# Altium PCB ZUM_Core_2.0.PcbDoc (part 1 of 2)
Units mm, origin at the board's own origin, x right, y up, seen from the top; angles counter-clockwise.
Board outline 70.83 x 53.34 mm, 2 copper layers (Top Layer, Bottom Layer), stack 1.55 mm thick; 130 components, 84 nets, 478 pads, 206 vias.
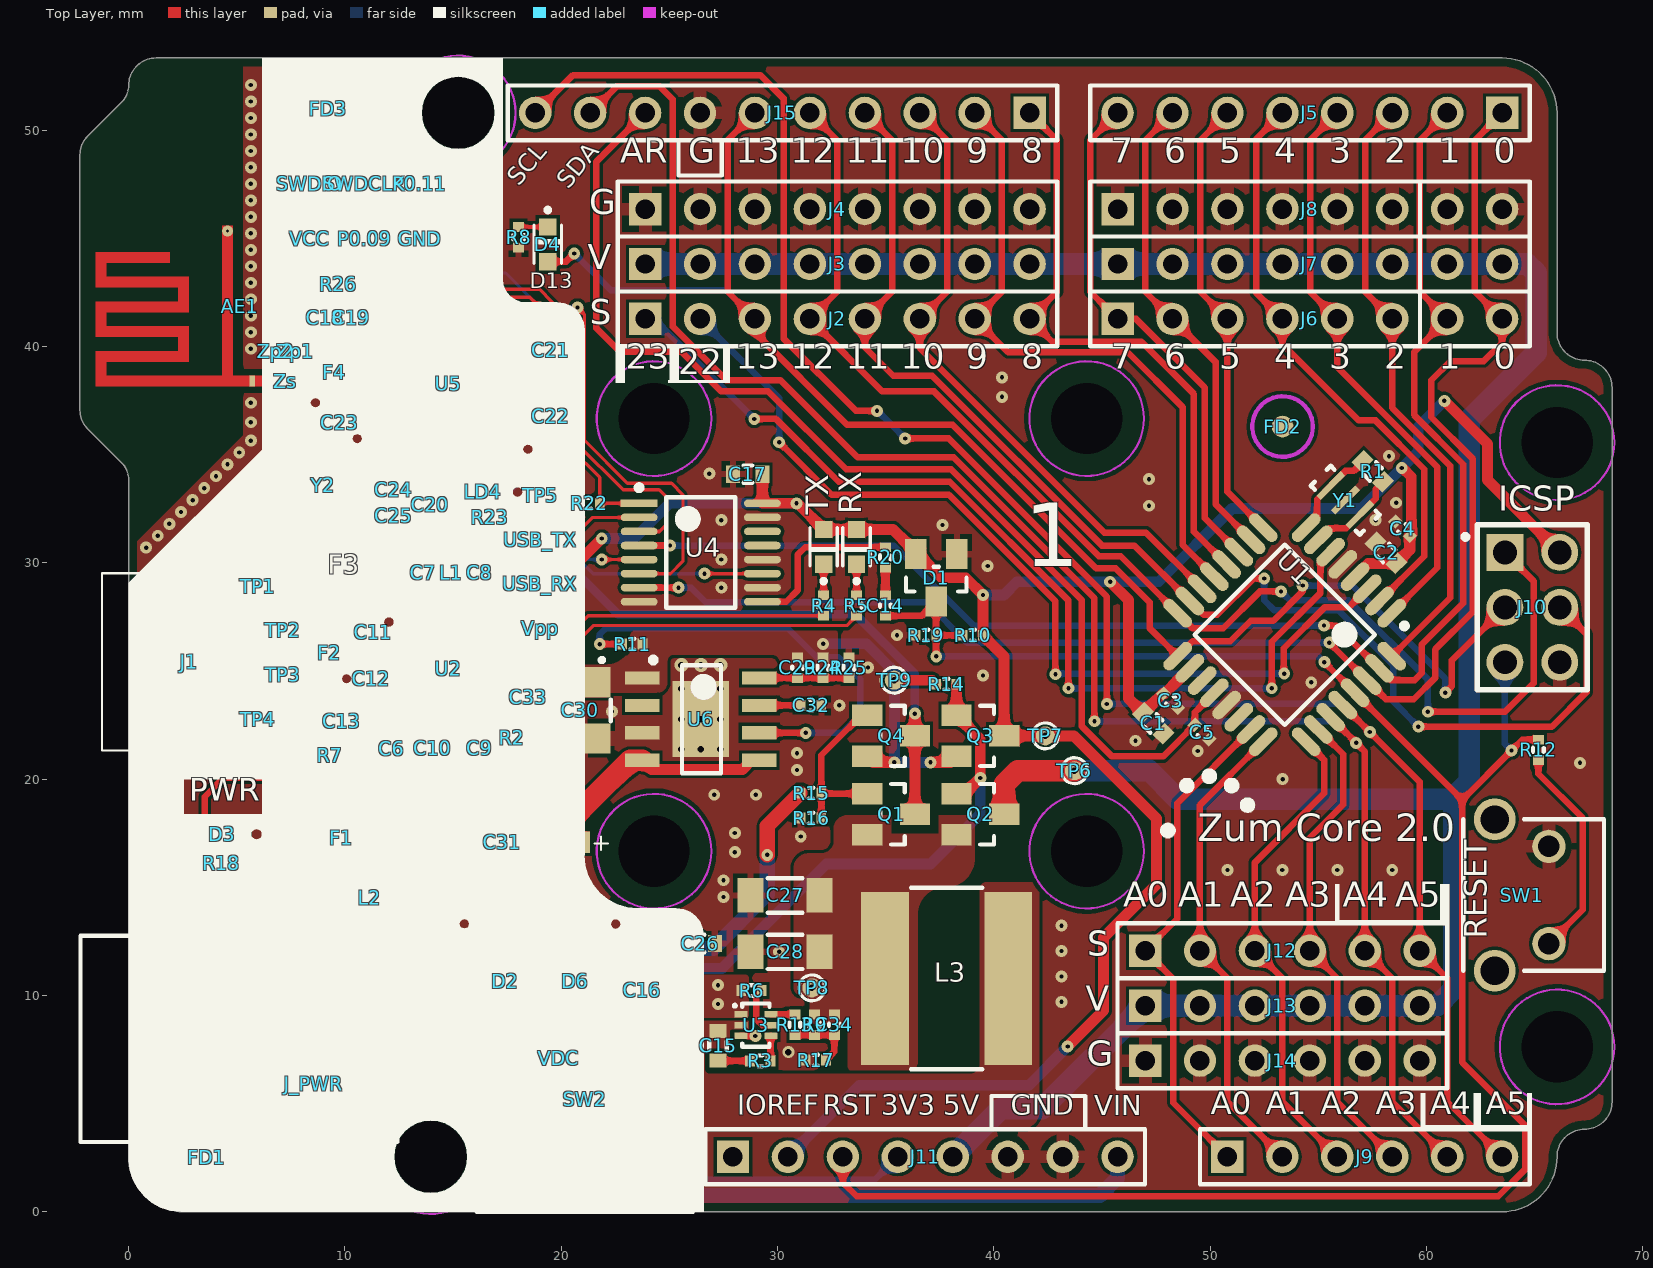
[diagram p0: Top Layer view]
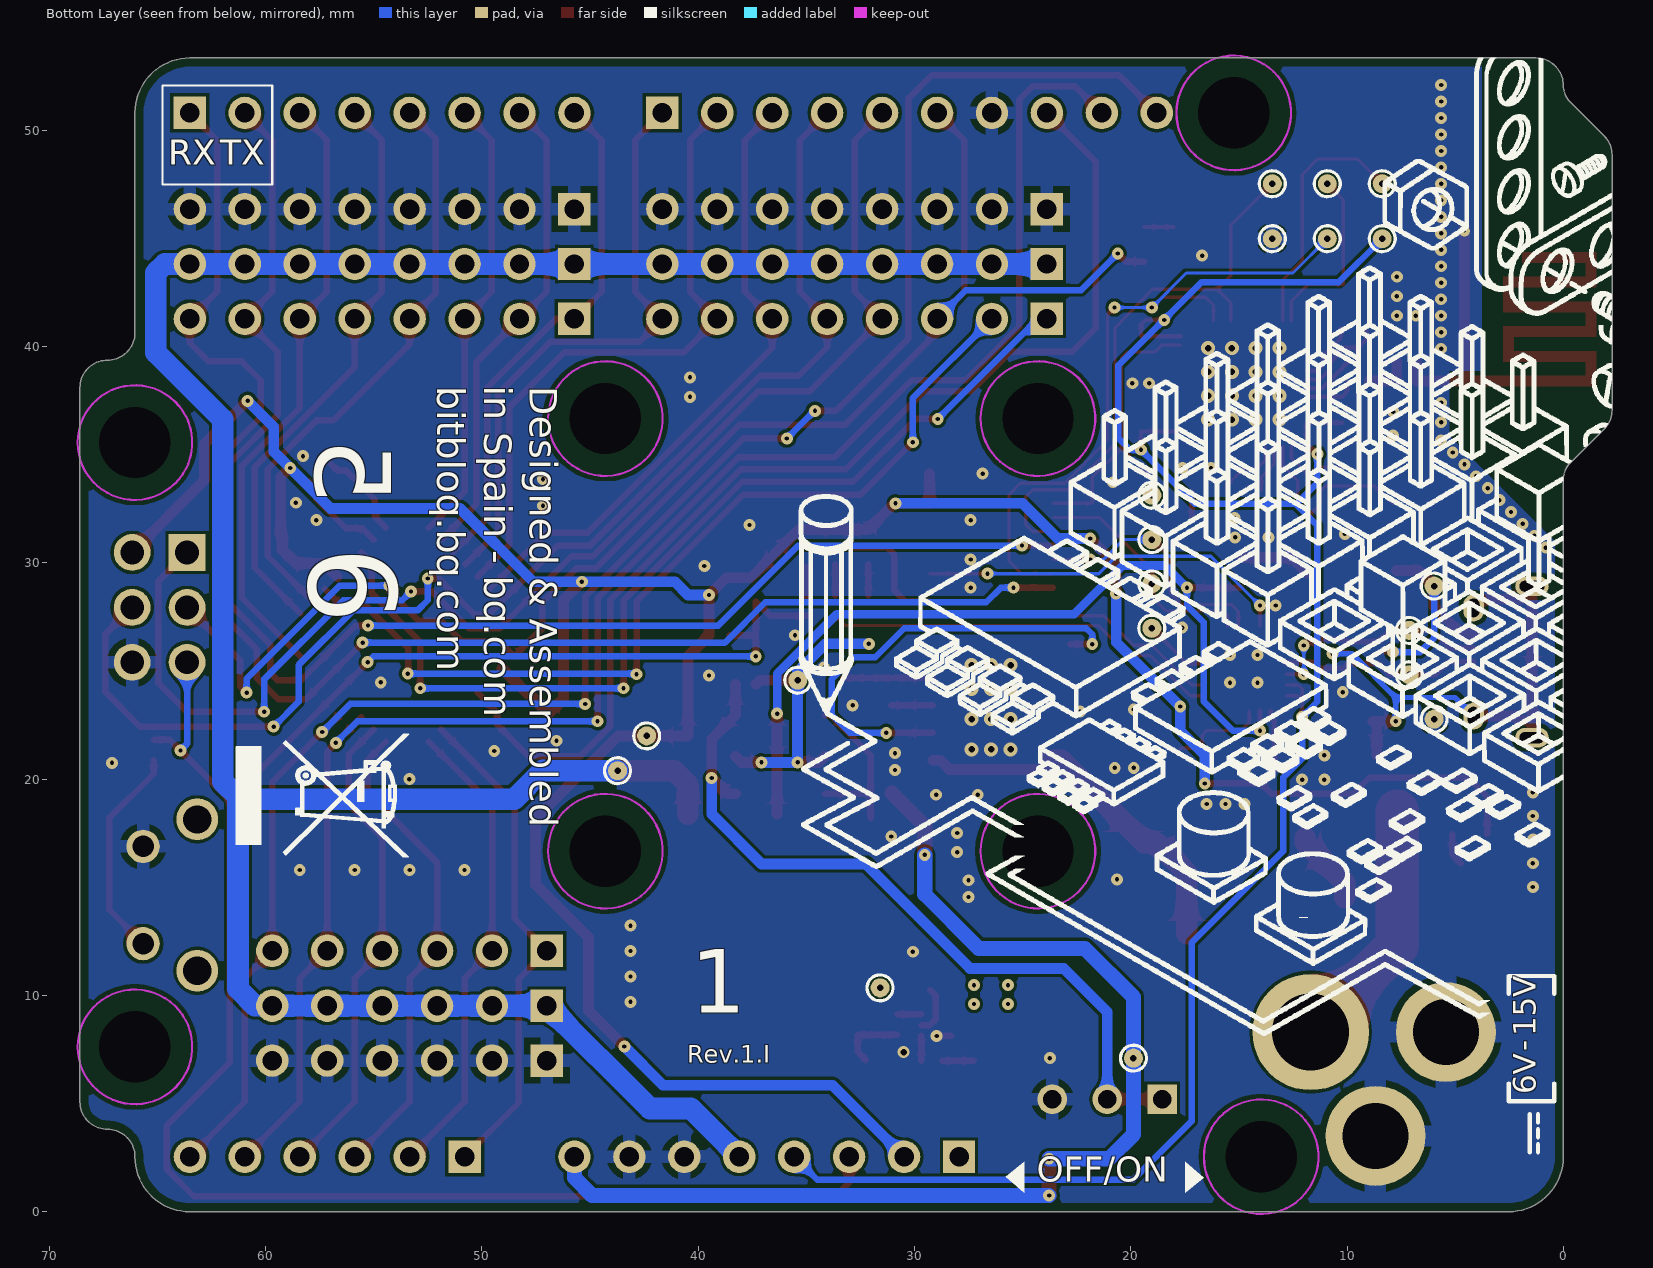
[diagram p1: Bottom Layer view, seen from below]

## Layer stack, top to bottom
Top Solder: solder mask 0.017, Solder Resist, Dk 3.5
Top Layer: signal copper 0.018
Dielectric 1: dielectric 1.514, FR-4, Dk 4.8
Bottom Layer: signal copper 0.018
Bottom Solder: solder mask 0.017, Solder Resist, Dk 3.5

## Board outline
-0.318,34.618 -1.896,36.196 cw(c-1.043,37.05) -2.25,37.05 -2.25,48.87 cw(c-1.043,48.87) -1.896,49.724 -0.318,51.302 ccw(c-1.086,52.07) 0,52.07 cw(c1.27,52.07) 1.27,53.34 63.5,53.34 cw(c63.5,50.8) 66.04,50.8 66.04,40.64 ccw(c67.31,40.64) 67.31,39.37 cw(c67.31,38.1) 68.58,38.1 68.58,5.08 cw(c67.31,5.08) 67.31,3.81 ccw(c67.31,2.54) 66.04,2.54 cw(c63.5,2.54) 63.5,0 2.54,0 cw(c2.54,2.54) 0,2.54 0,33.85 ccw(c-1.086,33.85)

## Design rules (kind name [scope] priority, off if disabled: settings)
BoardOutlineClearance BoardOutlineClearance_Antenna [InComponent('AE1')] p1: gap=0.3 ignorepadtopadclearanceinfootprint=FALSE
BoardOutlineClearance [OnLayer('Top Layer') OR OnLayer('Bottom Layer')] p2: gap=0.4 ignorepadtopadclearanceinfootprint=FALSE
Clearance Poly_VDC [InNamedPolygon('VDC')] p1: gap=0.27 ignorepadtopadclearanceinfootprint=FALSE
Clearance Poly_5V@3A [InNamedPolygon('5V@3A') vs InComponent('Q1')] p2: gap=0.4 ignorepadtopadclearanceinfootprint=FALSE
Clearance Polygon_VinDCDC [IsRegion AND InNet('Vin_DCDC')] p3: gap=0.14 ignorepadtopadclearanceinfootprint=FALSE
Clearance Clearance_U5_Pads [InComponent('U5') vs InComponent('U5')] p4: gap=0 ignorepadtopadclearanceinfootprint=FALSE
Clearance "Clearance_A5 to hole" [(InNet('A5') AND InComponent('J5') And OnLayer('Top Layer')) vs OnLayer('Keep-Out Layer')] p5: gap=0.05 ignorepadtopadclearanceinfootprint=FALSE
Clearance Clearance_USB_Shield [InNet('USB_SHIELD')] p6: gap=0.2 ignorepadtopadclearanceinfootprint=FALSE
Clearance Clearance_Antenna [InNet('NetAE1_FEED_1') vs InNet('GND')] p7: gap=0.3 ignorepadtopadclearanceinfootprint=FALSE
Clearance Clearance_KO [OnLayer('Keep-Out Layer') vs InNetClass('All Nets')] p8: gap=0.2 ignorepadtopadclearanceinfootprint=FALSE except(0: Arc-Hole Track-Hole SMDPad-Hole THPad-Hole Via-Hole Fill-Hole Poly-Hole Region-Hole Text-Hole)
Clearance [All] p9: gap=0.15 ignorepadtopadclearanceinfootprint=FALSE
ComponentClearance ComponentClearance_1 [InComponent('FD1') vs InComponent('J16')] p1: gap=0 collisioncheckmode=3 verticalgap=0 showdistances=FALSE
ComponentClearance "J14 with J13" [InComponent('J14') vs InComponent('J13')] p2: gap=0 collisioncheckmode=3 verticalgap=0 showdistances=FALSE
ComponentClearance "J13 with J12 and J14" [InComponent('J13') vs InComponent('J12') OR InComponent('J14')] p3: gap=0 collisioncheckmode=3 verticalgap=0 showdistances=FALSE
ComponentClearance "J12 with J13" [InComponent('J12') vs InComponent('J13')] p4: gap=0 collisioncheckmode=3 verticalgap=0 showdistances=FALSE
ComponentClearance "J7 with J8" [InComponent('J7') vs InComponent('J8')] p5: gap=0 collisioncheckmode=3 verticalgap=0 showdistances=FALSE
ComponentClearance "J7 with J6 and J8" [InComponent('J7') vs InComponent('J6') OR InComponent('J8')] p6: gap=0 collisioncheckmode=3 verticalgap=0 showdistances=FALSE
ComponentClearance "J6 with J7" [InComponent('J6') vs InComponent('J7')] p7: gap=0 collisioncheckmode=3 verticalgap=0 showdistances=FALSE
ComponentClearance "J3 with J2 and J4" [InComponent('J3') vs InComponent('J2') OR InComponent('J4')] p8: gap=0 collisioncheckmode=3 verticalgap=0 showdistances=FALSE
ComponentClearance "J3 with J4" [InComponent('J3') vs InComponent('J4')] p9: gap=0 collisioncheckmode=3 verticalgap=0 showdistances=FALSE
ComponentClearance "J2 with J3" [InComponent('J2') vs InComponent('J3')] p10: gap=0 collisioncheckmode=3 verticalgap=0 showdistances=FALSE
ComponentClearance [All] p11: gap=0.254 collisioncheckmode=3 verticalgap=0.254 showdistances=FALSE
DiffPairsRouting [All] p1: maxlimit=0.254 minlimit=0.254 mostfreqgap=0.254 toplayer_minwidth=0.1 toplayer_maxwidth=0.381 toplayer_prefwidth=0.381 bottomlayer_minwidth=0.1 bottomlayer_maxwidth=0.381 bottomlayer_prefwidth=0.381 maxuncoupledlength=12.7
HoleSize [All] p1: absolutevalues=TRUE maxlimit=5 minlimit=0.025 maxpercent=80.000 minpercent=20.000
MinimumSolderMaskSliver [All] p1: minsoldermaskwidth=0.05
NetAntennae [InComponent('AE1')] p1: netantennaetolerance=10
PlaneConnect PlaneConnect_antenna [All] p1: planeconnectstyle=Direct reliefexpansion=0.508 reliefentries=4 reliefconductorwidth=0.254 reliefairgap=0.254
PlaneConnect [All] p2: pad.planeconnectstyle=Relief pad.reliefexpansion=0.508 pad.reliefentries=4 pad.reliefconductorwidth=0.254 pad.reliefairgap=0.254 via.planeconnectstyle=Direct via.reliefexpansion=0.508 via.reliefentries=4 via.reliefconductorwidth=0.254 via.reliefairgap=0.254
PolygonConnect SMD_GND_Direct [InNet('GND') vs InComponent('U4') OR InComponent('U2') OR InComponent('U5') OR InComponent('U6') OR  InComponent('R17') OR InComponent('C7') OR InComponent('C16') OR InComponent('C3') OR InComponent('C13') OR InComponent('C2') OR InComponent('C5') OR InComponent('C4')  OR InComponent('U1') OR InComponent('AE1')] p1: connectstyle=Direct reliefconductorwidth=0.254 reliefentries=4 polygonreliefangle="90 Angle" airgapwidth=0.254
PolygonConnect PolygonConnect_Vjack [InComponent('J_PWR')  OR InComponent('C30') AND (Net = GND) OR InComponent('C31')] p2: thpad.connectstyle=Relief thpad.reliefconductorwidth=1 thpad.reliefentries=4 thpad.polygonreliefangle="90 Angle" thpad.airgapwidth=0.3 smdpad.connectstyle=Relief smdpad.reliefconductorwidth=0.7 smdpad.reliefentries=4 smdpad.polygonreliefangle="90 Angle" smdpad.airgapwidth=0.2 via.connectstyle=Direct via.reliefconductorwidth=0.254 via.reliefentries=4 via.polygonreliefangle="90 Angle" via.airgapwidth=0.254 // 4A line
PolygonConnect PolygonConnect_GND [InNet('GND')] p3: thpad.connectstyle=Relief thpad.reliefconductorwidth=0.6 thpad.reliefentries=4 thpad.polygonreliefangle="90 Angle" thpad.airgapwidth=0.3 smdpad.connectstyle=Relief smdpad.reliefconductorwidth=0.3 smdpad.reliefentries=4 smdpad.polygonreliefangle="90 Angle" smdpad.airgapwidth=0.2 via.connectstyle=Direct via.reliefconductorwidth=0.254 via.reliefentries=4 via.polygonreliefangle="90 Angle" via.airgapwidth=0.254 // 4A line
PolygonConnect TPs [All] p4: connectstyle=Direct reliefconductorwidth=0.254 reliefentries=4 polygonreliefangle="90 Angle" airgapwidth=0.254
PolygonConnect PolygonConnect_PWR [InNet('PWR')] p5: thpad.connectstyle=Relief thpad.reliefconductorwidth=1 thpad.reliefentries=4 thpad.polygonreliefangle="90 Angle" thpad.airgapwidth=0.3 smdpad.connectstyle=Direct smdpad.reliefconductorwidth=0.254 smdpad.reliefentries=4 smdpad.polygonreliefangle="90 Angle" smdpad.airgapwidth=0.254 via.connectstyle=Direct via.reliefconductorwidth=0.254 via.reliefentries=4 via.polygonreliefangle="90 Angle" via.airgapwidth=0.254
PolygonConnect PolygonConnect_L3 [InNet('NetL3_1')] p6: thpad.connectstyle=Relief thpad.reliefconductorwidth=1 thpad.reliefentries=4 thpad.polygonreliefangle="90 Angle" thpad.airgapwidth=0.2 smdpad.connectstyle=Direct smdpad.reliefconductorwidth=0.3 smdpad.reliefentries=4 smdpad.polygonreliefangle="90 Angle" smdpad.airgapwidth=0.2 via.connectstyle=Direct via.reliefconductorwidth=0.254 via.reliefentries=4 via.polygonreliefangle="90 Angle" via.airgapwidth=0.254 // 3A line
PolygonConnect PolygonConnect_5-17V [InNet('5-17 VDC')] p7: thpad.connectstyle=Relief thpad.reliefconductorwidth=1 thpad.reliefentries=4 thpad.polygonreliefangle="90 Angle" thpad.airgapwidth=0.2 smdpad.connectstyle=Direct smdpad.reliefconductorwidth=0.3 smdpad.reliefentries=4 smdpad.polygonreliefangle="90 Angle" smdpad.airgapwidth=0.2 via.connectstyle=Direct via.reliefconductorwidth=0.254 via.reliefentries=4 via.polygonreliefangle="90 Angle" via.airgapwidth=0.254 // 3A line
PolygonConnect PolygonConnect_L2 [InNet('NetL2_1')] p8: thpad.connectstyle=Relief thpad.reliefconductorwidth=1 thpad.reliefentries=4 thpad.polygonreliefangle="90 Angle" thpad.airgapwidth=0.2 smdpad.connectstyle=Direct smdpad.reliefconductorwidth=0.3 smdpad.reliefentries=4 smdpad.polygonreliefangle="90 Angle" smdpad.airgapwidth=0.2 via.connectstyle=Direct via.reliefconductorwidth=0.254 via.reliefentries=4 via.polygonreliefangle="90 Angle" via.airgapwidth=0.254 // 3A line
PolygonConnect PolygonConnect_Vinput [InNet('Vinput')] p9: thpad.connectstyle=Relief thpad.reliefconductorwidth=1 thpad.reliefentries=4 thpad.polygonreliefangle="90 Angle" thpad.airgapwidth=0.2 smdpad.connectstyle=Direct smdpad.reliefconductorwidth=0.3 smdpad.reliefentries=4 smdpad.polygonreliefangle="90 Angle" smdpad.airgapwidth=0.2 via.connectstyle=Direct via.reliefconductorwidth=0.254 via.reliefentries=4 via.polygonreliefangle="90 Angle" via.airgapwidth=0.254 // 3A line
PolygonConnect PolygonConnect_5V@3A [All] p10: thpad.connectstyle=Relief thpad.reliefconductorwidth=1 thpad.reliefentries=4 thpad.polygonreliefangle="90 Angle" thpad.airgapwidth=0.3 smdpad.connectstyle=Direct smdpad.reliefconductorwidth=0.254 smdpad.reliefentries=4 smdpad.polygonreliefangle="90 Angle" smdpad.airgapwidth=0.254 via.connectstyle=Direct via.reliefconductorwidth=0.254 via.reliefentries=4 via.polygonreliefangle="90 Angle" via.airgapwidth=0.254
PolygonConnect [All] p11: thpad.connectstyle=Relief thpad.reliefconductorwidth=0.2 thpad.reliefentries=4 thpad.polygonreliefangle="90 Angle" thpad.airgapwidth=0.2 smdpad.connectstyle=Relief smdpad.reliefconductorwidth=0.2 smdpad.reliefentries=4 smdpad.polygonreliefangle="90 Angle" smdpad.airgapwidth=0.1 via.connectstyle=Relief via.reliefconductorwidth=0.2 via.reliefentries=4 via.polygonreliefangle="90 Angle" via.airgapwidth=0.1
RoutingVias RoutingVias_1 [IsVia AND (Net = GND)] p1: holewidth=0.55 width=0.65 viastyle="Through Hole" minholewidth=0.55 minwidth=0.65 maxholewidth=0.55 maxwidth=0.65
RoutingVias [All] p2: holewidth=0.1 width=0.45 viastyle="Through Hole" minholewidth=0.1 minwidth=0.45 maxholewidth=0.25 maxwidth=0.6
ShortCircuit ShortCircuit_antenna [InNet('NetAE1_FEED_1')] p1: allowed=TRUE
ShortCircuit U3_Thermal_Vias [INComponent('U3') vs InComponent('U3')] p2: allowed=TRUE
ShortCircuit [All] p3: allowed=FALSE
SilkToSilkClearance [All] p1: silktosilkclearance=0
SilkToSolderMaskClearance [IsPad] p1: minsilkscreentomaskgap=0 clearancetoexposedcopper=TRUE
SolderMaskExpansion [All] p1: expansion=0.05
Width [All] p1: maxlimit=5 minlimit=0.1 preferedwidth=0.15 minimp=50.000000 maximp=50.000000 favimp=50.000000
21 further rules are at their usual default settings.

## Classes and differential pairs
component class ATMega328PB: C1 C2 C3 C4 C5 R1 U1 Y1
component class U_Bluetooth: AE1 C18 C19 C20 C21 C22 C23 C24 C25 F4 GND LD4 P0.09 P0.11 R23 R26 SWDCLK SWDIO U5 VCC Y2 Zp1 Zp2 Zs
component class U_USB_CP2104: C6 C7 C8 C9 C10 C11 C12 C13 F2 F3 J1 L1 R2 R4 R5 R7 RX TP1 TP2 TP3 TP4 TX U2 USB_RX USB_TX Vpp
component class U_ZUM_Core_Autoreset: C14 D1 R10 R12 R19 R20 SW1
component class U_ZUM_Core_Power: D2 D3 D6 F1 J_PWR L2 Q1 Q2 Q3 Q4 R14 R15 R16 R18 SW2 TP6 TP7 VDC
component class U_ZUM_Core_USB_BT: C17 R22 TP5 U4
component class ZUM_Core: D D4 FD1 FD2 FD3 J2 J3 J4 J5 J6 J7 J8 J9 J10 J11 J12 J13 J14 J15 R8
net class A[0..5]: A0 A1 A2 A3 A4 A5
net class D[0..13]: D0 D1 D2 D3 D4 D5 D6 D7 D8 D9 D10 D11 D12 D13 D22 D23
component class U_TPS62133_DCDC_5V: C15 C16 C26 C27 C28 C34 L3 R3 R6 R9 R13 R17 TP8 U3
component class MP2019_LDO_5V: C29 C30 C31 C32 C33 R11 R24 R25 TP9 U6
differential pair USB_D: +USB_D_P -USB_D_N

## Components (designator, comment, footprint, x,y, rotation, side; value= is the part's Value field where it differs from the comment)
AE1 "Antenna 2.45GHz" MIFA_2.45GHz_7.2x11.1mm 5.59,38.15 r90 top locked
C1 "C0603_100nF_50V_±10%_X7R" C0603 47.375,22.575 r135 top value="100nF ±10% 50V"
C2 "C0603_100nF_50V_±10%_X7R" C0603 58.132,30.458 r315 top value="100nF ±10% 50V"
C3 "C0402_2.2uF_16V_±20%" C0402 48.175,23.625 r135 top value="2,2µF ±20% 16V"
C4 "C0402_2.2uF_16V_±20%" C0402 58.9,31.575 r315 top value="2,2µF ±20% 16V"
C5 "C0402_2.2uF_16V_±20%" C0402 49.625,22.175 r135 top value="2,2µF ±20% 16V"
C6 "C0402_2.2uF_16V_±20%" C0402 12.175,21.4 r90 top value="2,2µF ±20% 16V"
C7 "C0603_100nF_50V_±10%_X7R" C0603 13.625,29.55 r90 top value="100nF ±10% 50V"
C8 "C0603_100nF_50V_±10%_X7R" C0603 16.225,29.55 r270 top value="100nF ±10% 50V"
C9 "C0402_2.2uF_16V_±20%" C0402 16.225,21.43 r0 top value="2,2µF ±20% 16V"
C10 "C0603_100nF_50V_±10%_X7R" C0603 14.05,21.43 r180 top value="100nF ±10% 50V"
C11 "C0402_47pF_16V_±10%" C0402 11.3,26.8 r270 top value="47pF ±10% 16V"
C12 "C0402_47pF_16V_±10%" C0402 11.225,24.65 r90 top value="47pF ±10% 16V"
C13 "C0805_4700pF_250V_±10%_X7R" C0805 9.85,22.675 r0 top value="4,7nF ±10% 250V"
C14 "C0402_2.2uF_16V_±20%" C0402 34.984,28.025 r90 top value="2,2µF ±20% 16V"
C15 "C0603_1uF_25V_±10%" C0603 27.25,7.675 r270 top value="1uF ±10% 25V"
C16 "C1206_22uF_25V_±10%" C1206 23.74,10.23 r90 top value="22uF ±10% 25V"
C17 "C0603_100nF_50V_±10%_X7R" C0603 28.625,34.1 r0 top value="100nF ±10% 50V"
C18 "C0402_2.2nF_16V_±10%" C0402 9.1,41.325 r270 top value="2,2nF ±10% 16V"
C19 "C0402_47nF_16V_±10%" C0402 10.3,41.325 r270 top value="47nF ±10% 16V"
C20 "C0603_100nF_50V_±10%_X7R" C0603 13.95,32.675 r90 top value="100nF ±10% 50V"
C21 "C0603_100nF_50V_±10%_X7R" C0603 19.525,39.825 r90 top value="100nF ±10% 50V"
C22 "C0603_100nF_50V_±10%_X7R" C0603 19.525,36.775 r270 top value="100nF ±10% 50V"
C23 "C0402_2.2nF_16V_±10%" C0402 9.75,36.475 r0 top value="2,2nF ±10% 16V"
C24 "C0402_12pF_16V_±10%" C0402 12.25,33.375 r0 top value="12pF ±10% 16V"
C25 "C0402_12pF_16V_±10%" C0402 12.25,32.175 r0 top value="12pF ±10% 16V"
C26 "C0603_100nF_50V_±10%_X7R" C0603 26.425,12.4 r180 top value="100nF ±10% 50V"
C27 "C1206_22uF_25V_±10%" C1206 30.35,14.625 r0 top value="22uF ±10% 25V"
C28 "C1206_22uF_25V_±10%" C1206 30.35,12.019 r0 top value="22uF ±10% 25V"
C29 "C0402_2.2nF_16V_±10%" C0402 30.925,25.15 r270 top value="2.2nF ±10% 16V"
C30 "150uF_6V3_±20%" CASE_B_3528-1411 20.883,23.183 r270 top value="150uF ±20% 6V3"
C31 "Cap_Al_100uF_25V" CASE_D_7.7 17.28,17.08 r180 top value="100uF 25V"
C32 "C0402_47nF_16V_±10%" C0402 31.55,23.41 r180 top value="47nF ±10% 16V"
C33 "C0402_100nF_6V3_±10%" C0402 18.47,23.78 r90 top value="100nF ±10% 6V3"
C34 "C0402_15pF_16V_±10%_C0G" C0402 32.628,8.644 r90 top value="15pF ±10% 16V"
D1 "BAT54S" SOT23-3 37.336,29.31 r0 top value="200mA 30V"
D2 "PMEG3030EP" SOD128 17.415,10.655 r90 top value="3A 30V"
D3 "HSMG-C190" LED0603 4.332,17.448 r90 top value=Green
D4 "HSMG-C190" LED0603 19.375,44.725 r180 top value=Green
D6 "PMEG3030EP" SOD128 20.64,10.655 r90 top value="3A 30V"
F1 "FUSE 2.6A 16V" F1812 9.825,17.28 r0 top
F2 "USB ESD Single" SOT563 9.275,25.85 r180 top
F3 "FUSE 0.5A 15V" F1812 9.825,29.65 r0 top
F4 "2450BM14E0003" BAL-0603-6PIN 9.5,38.8 r90 top value="Balun 2.45GHz"
FD1 "Fiducial 1mm" Fiducial_1mm 3.6,2.525 r0 top
FD2 "Fiducial 1mm" Fiducial_1mm 53.35,36.3 r0 top
FD3 "Fiducial 1mm" Fiducial_1mm 9.225,51 r0 top
GND "TP_POWER" TP_POWER 13.455,44.985 r180 top
J1 "Micro USB Type B W/ Rear Pegs" USB_B_W_REAR_PEGS 1.45,25.417 r270 top locked
J2 "CON_PH_THT2.54_8 Natural" "1x8 Pin Header 2.54" 23.876,41.275 r0 top locked
J3 "CON_PH_THT2.54_8 Red" "1x8 Pin Header 2.54" 23.876,43.815 r0 top locked
J4 "CON_PH_THT2.54_8" "1x8 Pin Header 2.54" 23.876,46.355 r0 top locked value=8
J5 "CON_SH_THT2.54_8" "1x8 Socket Header THT 2.54mm" 63.5,50.8 r180 top locked value=8
J6 "CON_PH_THT2.54_6 Natural" "1x8 Header 2.54 (3D Mod)" 45.72,41.275 r0 top locked
J7 "CON_PH_THT2.54_6 Red" "1x8 Header 2.54 (3D Mod)" 45.72,43.815 r0 top locked
J8 "CON_PH_THT2.54_6" "1x8 Header 2.54 (3D Mod)" 45.72,46.355 r0 top locked value=6
J9 "CON_SH_THT2.54_6" "1x6 Socket Header THT 2.54mm" 50.8,2.54 r0 top locked value=6
J10 "CON_DPH_THT2.54_6" "2x3 Pin Header 2.54" 63.627,30.48 r270 top locked value=6
J11 "CON_SH_THT2.54_8" "1x8 Socket Header THT 2.54mm" 27.94,2.54 r0 top locked value=8
J12 "CON_PH_THT2.54_6 Blue" "1x6 Pin Header 2.54" 46.99,12.065 r0 top locked
J13 "CON_PH_THT2.54_6 Red" "1x6 Pin Header 2.54" 46.99,9.525 r0 top locked
J14 "CON_PH_THT2.54_6" "1x6 Pin Header 2.54" 46.99,6.985 r0 top locked value=6
J15 "CON_SH_THT2.54_10" "1x10 Socket Header THT 2.54mm" 41.656,50.8 r180 top locked value=10
J_PWR "DC Power Jack" "Jack 2.1" 11.684,8.306 r270 top locked
L1 "L0603_120R_0,025R_3000mA" L0603 14.925,29.55 r270 top value="120R 0,025R 3000mA"
L2 "L0805_33R_0,008R_4000mA" L0805 11.15,14.52 r0 top value="33R 0,008R 4000mA"
L3 "2,2uH_6,3A" SRN8040 37.82,10.78 r180 top value="2,2µH 6,3A"
LD4 "LTST-C194TBKT" LED0603 16.375,33.275 r90 top value=Blue
P0.09 "TP_POWER" TP_POWER 10.915,44.985 r180 top
P0.11 "TP_POWER" TP_POWER 13.455,47.525 r180 top
Q1 "DMP2035U" SOT23-3 35.25,18.375 r90 top
Q2 "DMP2035U" SOT23-3 39.375,18.375 r90 top
Q3 "DMP2035U" SOT23-3 39.375,22 r90 top
Q4 "DMP2035U" SOT23-3 35.25,22 r90 top
R1 "R0603_1M_0.1W_±5%" R0603 57.525,34.225 r135 top value="1M ±5% 0.1W"
R2 "R0402_1k_0.063W_±5%" R0402 17.71,21.905 r90 top value="1k ±5% 0.063W"
R3 "R0402_10R_0.063W_±1%" R0402 29.2,6.975 r180 top value="'=Resistance+' '+Tolerance+' '+Power"
R4 "R0402_1k_0.063W_±5%" R0402 32.13,28.025 r90 top value="1k ±5% 0.063W"
R5 "R0402_1k_0.063W_±5%" R0402 33.65,28.025 r90 top value="1k ±5% 0.063W"
R6 "R0402_100k_0.063W_±1%" R0402 28.8,10.225 r180 top value="100k ±1% 0.063W"
R7 "R0603_1M_0.1W_±5%" R0603 9.3,21.1 r180 top value="1M ±5% 0.1W"
R8 "R0402_330R_0.063W_±5%" R0402 18.025,45.05 r90 top value="330R ±5% 0.063W"
R9 "R0402_52,3k_0.063W_±1%" R0402 31.714,8.644 r270 top value="52,3k ±1% 0.063W"
R10 "R0402_10k_0.063W_±5%" R0402 39.021,26.65 r180 top value="10k ±5% 0.063W"
R11 "R0402_100k_0.063W_±1%" R0402 23.28,26.24 r180 top value="100k ±1% 0.063W"
R12 "R0402_20R_0.063W_±5%" R0402 65.175,21.35 r90 top value="20R ±5% 0.063W"
R13 "R0402_75k_0.063W_±1%" R0402 30.801,8.644 r270 top value="75k ±1% 0.063W"
R14 "R0402_52,3k_0.063W_±1%" R0402 37.8,24.39 r0 top value="52,3k ±1% 0.063W"
R15 "R0402_1k_0.063W_±5%" R0402 31.55,19.35 r180 top value="1k ±5% 0.063W"
R16 "R0402_82k_0.063W_±1%" R0402 31.55,18.2 r0 top value="82k ±1% 0.063W"
R17 "R0402_10k_0.063W_±5%" R0402 31.768,7.008 r180 top value="10k ±5% 0.063W"
R18 "R0402_330R_0.063W_±5%" R0402 4.278,16.118 r0 top value="330R ±5% 0.063W"
R19 "R0402_100k_0.063W_±1%" R0402 36.861,26.65 r180 top value="100k ±1% 0.063W"
R20 "R0402_330R_0.063W_±5%" R0402 34.984,30.25 r90 top value="330R ±5% 0.063W"
R22 "R0402_52,3k_0.063W_±1%" R0402 21.3,32.75 r180 top value="52,3k ±1% 0.063W"
R23 "R0402_330R_0.063W_±5%" R0402 16.7,32.1 r180 top value="330R ±5% 0.063W"
R24 "R0402_30k_0.063W_±1%" R0402 32.1,25.15 r90 top value="30k ±1% 0.063W"
R25 "R0402_10k_0.063W_±5%" R0402 33.3,25.15 r90 top value="10k ±5% 0.063W"
R26 "R0402_1k_0.063W_±5%" R0402 9.7,42.875 r0 top value="1k ±5% 0.063W"
RX "HSMH-C190" LED0603 33.654,30.739 r0 top value=Red
SW1 "SW Vertical THT" SW_Vert_THT_7.5x6x6.5 65.659,16.891 r270 top locked
SW2 "Switch SPDT" "Slide SW SPDT Right Angle" 18.55,5.2 r0 top
SWDCLK "TP_POWER" TP_POWER 10.915,47.525 r180 top
SWDIO "TP_POWER" TP_POWER 8.375,47.525 r180 top
TP1 "TP" TP_POWER 5.975,28.925 r90 top
TP2 "TP_POWER" TP_POWER 7.125,26.875 r90 top
TP3 "TP_POWER" TP_POWER 7.125,24.825 r90 top
TP4 "TP_POWER" TP_POWER 5.975,22.775 r90 top
TP5 "TP" TP_POWER 19.025,33.125 r90 top
TP6 "TP" TP_POWER 43.727,20.389 r90 top
TP7 "TP" TP_POWER 42.38,22 r90 top
TP8 "TP" TP_POWER 31.59,10.35 r90 top
TP9 "TP" TP_POWER 35.395,24.575 r90 top
TX "HSMG-C190" LED0603 32.13,30.739 r0 top value=Green
U1 "ATMEGA328PB" TQFP32 53.448,26.676 r225 top locked
U2 "CP2104" QFN24_no_power 14.775,25.1 r0 top
U3 "MP1477H" "SOT-563 - MP1477H" 29,8.625 r270 top
U4 "SN74CBT3257CP" TSSOP16 26.45,30.475 r270 top
U5 "nRF51822" QFN_48_6x6mm 14.775,38.275 r180 top value=BLE
U6 "MP2019GN-Z" "SOIC8 EP" 26.453,22.775 r270 top
USB_RX "TP_POWER" TP_POWER 19.025,29.025 r90 top
USB_TX "TP_POWER" TP_POWER 19.025,31.075 r90 top
VCC "TP_POWER" TP_POWER 8.375,44.985 r180 top
VDC "TP_POWER" TP_POWER 19.875,7.1 r90 top
Vpp "TP_POWER" TP_POWER 19.025,26.975 r90 top
Y1 "CSTCE16M0V53-R0" Resonator_1.3x3.2 56.25,32.9 r315 top value=16MHz
Y2 "Crystal 16 MHz" ABM8G_3.2x2.5mm 9,33.575 r180 top value=16MHz
Zp1 "R0402_0R_0.063W_±5%" R0402 7.7,39.775 r270 top value="0R ±5% 0.063W"
Zp2 "R0402_0R_0.063W_±5%" R0402 6.8,39.775 r270 top value="0R ±5% 0.063W"
Zs "R0402_0R_0.063W_±5%" R0402 7.25,38.4 r180 top value="0R ±5% 0.063W"

## Footprints (in the part's own frame and the unit in brackets; to place one, negate y for a bottom-side part, rotate by r counter-clockwise, add the part's x,y. Pads: shape width x height; smd on the part's side, far side on the other; paste and mask are expansions set on the pad)
"1x6 Pin Header 2.54" [mm] "6 pin Header pitch 2.54mm"
  rect 1.5x1.5 hole 0.9: 1(0,0)
  round 1.5 hole 0.9: 2(2.54,0) 3(5.08,0) 4(7.62,0) 5(10.16,0) 6(12.7,0)
  silkscreen extent -1.27,-1.27 13.97,1.27, body extent -1.26,-1.25 13.98,1.29, height 8.43
"1x6 Socket Header THT 2.54mm" [mm] "6 Socket Header pitch 2.54mm"
  rect 1.5x1.5 hole 0.9: 1(0,0)
  round 1.5 hole 0.9: 2(2.54,0) 3(5.08,0) 4(7.62,0) 5(10.16,0) 6(12.7,0)
  silkscreen extent -1.27,-1.27 13.97,1.27, body extent -1.39,-1.25 14.1,1.25, height 8.5
"1x8 Header 2.54 (3D Mod)" [mm] "8 pin Header pitch 2.54mm. Only 6 pin mounted"
  rect 1.5x1.5 hole 0.9: 1(0,0)
  round 1.5 hole 0.9: 2(2.54,0) 3(5.08,0) 4(7.62,0) 5(10.16,0) 6(12.7,0) 7(15.24,0) 8(17.78,0)
  silkscreen extent -1.27,-1.27 19.05,1.27, body extent -1.26,-1.25 13.98,1.29, height 8.43
"1x8 Pin Header 2.54" [mm] "8 pin Header pitch 2.54mm"
  rect 1.5x1.5 hole 0.9: 1(0,0)
  round 1.5 hole 0.9: 2(2.54,0) 3(5.08,0) 4(7.62,0) 5(10.16,0) 6(12.7,0) 7(15.24,0) 8(17.78,0)
  silkscreen extent -1.27,-1.27 19.05,1.27, body extent -1.26,-1.25 19.06,1.29, height 8.43
"1x8 Socket Header THT 2.54mm" [mm] "8 Socket Header pitch 2.54mm"
  rect 1.5x1.5 hole 0.9: 1(0,0)
  round 1.5 hole 0.9: 2(2.54,0) 3(5.08,0) 4(7.62,0) 5(10.16,0) 6(12.7,0) 7(15.24,0) 8(17.78,0)
  silkscreen extent -1.27,-1.27 19.05,1.27, body extent -1.4,-1.23 19.17,1.27, height 8.5
"1x10 Socket Header THT 2.54mm" [mm] "10 Socket Header pitch 2.54mm"
  rect 1.5x1.5 hole 0.9: 1(0,0)
  round 1.5 hole 0.9: 2(2.54,0) 3(5.08,0) 4(7.62,0) 5(10.16,0) 6(12.7,0) 7(15.24,0) 8(17.78,0) 9(20.32,0) 10(22.86,0)
  silkscreen extent -1.27,-1.27 24.13,1.27, body extent -1.4,-1.27 24.26,1.23, height 8.5
"2x3 Pin Header 2.54" [mm] "6 dual pin Header pitch 2.54mm"
  rect 1.7x1.7 hole 1.1: 1(0,0)
  round 1.7 hole 1.1: 2(0,2.54) 3(2.54,0) 4(2.54,2.54) 5(5.08,0) 6(5.08,2.54)
  silkscreen extent -1.27,-1.27 6.35,3.81, body extent -1.25,-1.27 6.37,3.81, height 5.94
ABM8G_3.2x2.5mm [mm] "ABM8G 3.2x2.5x1.0mm"
  rect 1.4x1.2 smd: 1(-1.1,-0.85) 2(1.1,-0.85) 3(1.1,0.85) 4(-1.1,0.85)
  silkscreen extent -2.1,-1.75 2.1,1.75, body extent -1.6,-1.25 1.6,1.25, height 1.06
BAL-0603-6PIN [mm]
  rect 0.55x0.25 smd mask+0.05: 1(-0.425,0.5) 2(-0.425,0) 3(-0.425,-0.5) 4(0.425,-0.5) 5(0.425,0) 6(0.425,0.5)
  silkscreen extent -0.4,-0.8 0.4,0.8, body extent -0.41,-0.8 0.41,0.8, height 0.62
C0402 [mm] "Chip Capacitor, Body 1.0x0.5mm, IPC High Density"
  rect 0.45x0.5 smd: 1(-0.475,0) 2(0.475,0)
  silkscreen extent -0.05,-0.25 0.05,0.25, body extent -0.51,-0.25 0.49,0.25, height 0.5
C0603 [mm] "Chip Capacitor, Body 1.6x0.8mm, IPC High Density"
  rect 0.65x0.8 smd: 1(-0.675,0) 2(0.675,0)
  silkscreen extent -0.2,-0.4 0.2,0.4, body extent -0.81,-0.4 0.79,0.4, height 0.6
C0805 [mm] "Chip Capacitor, Body 2.0x1.25mm, IPC High Density"
  rect 1.1x1.25 smd: 1(-1.05,0) 2(1.05,0)
  silkscreen extent -0.35,-0.62 0.35,0.62, body extent -0.98,-0.62 1.02,0.63, height 0.78
C1206 [mm] "Chip Capacitor, Body 3.2x1.6mm, IPC High Density"
  rect 1.2x1.6 smd: 1(-1.6,0) 2(1.6,0)
  silkscreen extent -0.8,-0.8 0.8,0.79, body extent -1.59,-0.8 1.61,0.8, height 1
CASE_B_3528-1411 [mm] "Capacitor, SM Tantalum; Body 3.5 x 2.8 mm (LxW typ)"
  rect 1.4x2.8 smd: 1(-1.3,0) 2(1.3,0)
  silkscreen extent -0.5,-1.4 0.5,1.4, body extent -1.75,-1.4 1.75,1.4, height 1.9
CASE_D_7.7 [mm] "SMD Al Capacitor, Flat 6.6x6.6mm, Diameter 6.3mm"
  rect 3.5x1 smd: 1(-2.3,0) 2(2.3,0)
  silkscreen extent -3.3,-3.3 3.3,3.3, body extent -3.5,-3.3 3.5,3.3, height 7.7
F1812 [mm] "PTC Resettable Fuse 1812 package  4.55mm x 3.24mm"
  rect 1.5x3.2 smd: 1(-2.1,0) 2(2.1,0)
  silkscreen extent -2.87,-1.75 2.9,1.75, body extent -2.36,-1.7 2.37,1.71, height 1.34
Fiducial_1mm [mm] "Marcas Fiduciales para montador"
  round 1 smd paste-0.5 mask+1: ""(0,0)
  Top Layer keep-out circle w0.2: c0,0 r1.4
"Jack 2.1" [mm] "DC Power Jack 2,1mm"
  round 5.38 hole 3.56: 1(0,0)
  round 4.62 hole 3.05: 2(4.8,-3) 3(0,-6.25)
  silkscreen extent -4.46,-13.91 5.08,0.73, body extent -4.44,-13.86 5.08,0.74, height 10.92
L0603 [mm] "Chip Inductor, Body 1.6x0.8mm, IPC High Density"
  rect 0.8x0.9 smd: 1(-0.7,0) 2(0.7,0)
  silkscreen extent -0.21,-0.5 0.21,0.5, body extent -0.81,-0.4 0.79,0.4, height 0.6
L0805 [mm] "Chip Inductor Body 2.0x1.25mm, IPC High Density"
  rect 1.1x1.25 smd: 1(-1.05,0) 2(1.05,0)
  silkscreen extent -0.35,-0.62 0.35,0.62, body extent -0.98,-0.62 1.02,0.63, height 0.78
LED0603 [mm] "0603 1.6x0.8mm"
  rect 0.8x0.8 smd: A(0,0.8) K(0,-0.8)
  silkscreen extent -0.64,-0.89 0.64,0.89, body extent -0.37,-0.81 0.36,0.84, height 0.68
MIFA_2.45GHz_7.2x11.1mm [mil] "Meandered Inverted-F Antenna (MIFA) 2.45GHz 7.7x11.1mm"
  rect 20x10 smd: FEED_1(10,-5)
  round 20 hole 5.91: FEED_2(283,40)
  Top Layer region: 0,30 293,30 293,50 0,50
  Top Layer region: 180,260 245,260 245,280 180,280
  Top Layer region: 90,260 155,260 155,280 90,280
  Top Layer region: 135,110 155,110 155,280 135,280
  Top Layer region: 135,110 200,110 200,130 135,130
  Top Layer region: 180,110 200,110 200,280 180,280
  Top Layer region: 90,110 110,110 110,280 90,280
  Top Layer region: 45,110 110,110 110,130 45,130
  Top Layer region: 45,110 65,110 65,280 45,280
  Top Layer region: 0,260 65,260 65,280 0,280
  Top Layer region: 0,0 20,0 20,280 0,280
QFN24_no_power [mm] "QFN, 24-Leads, Body 4,00x4,00mm, Pitch 0,50mm, Thermal Pad 2,55x2,55mm, IPC Medium Density"
  oval 0.8x0.25 smd mask+0.05: 1(-1.95,1.25) 2(-1.95,0.75) 3(-1.95,0.25) 4(-1.95,-0.25) 5(-1.95,-0.75) 6(-1.95,-1.25) 13(1.95,-1.25) 14(1.95,-0.75) 15(1.95,-0.25) 16(1.95,0.25) 17(1.95,0.75) 18(1.95,1.25)
  oval 0.25x0.8 smd mask+0.05: 7(-1.25,-1.95) 8(-0.75,-1.95) 9(-0.25,-1.95) 10(0.25,-1.95) 11(0.75,-1.95) 12(1.25,-1.95) 19(1.25,1.95) 20(0.75,1.95) 21(0.25,1.95) 22(-0.25,1.95) 23(-0.75,1.95) 24(-1.25,1.95)
  rect 2.55x2.55 smd: 25(0,0)
  silkscreen extent -2.2,-2.2 2.2,2.2, body extent -2,-2 2,2, height 1
QFN_48_6x6mm [mm] "QFN, 48-Leads, Body 6,00x6,00mm, Pitch 0,40mm, Thermal Pad 4,60x4,60mm, IPC Medium Density"
  oval 0.85x0.2 smd mask+0.06: 1(-2.9,2.2) 2(-2.9,1.8) 3(-2.9,1.4) 4(-2.9,1) 5(-2.9,0.6) 6(-2.9,0.2) 7(-2.9,-0.2) 8(-2.9,-0.6) 9(-2.9,-1) 10(-2.9,-1.4) 11(-2.9,-1.8) 12(-2.9,-2.2) 25(2.9,-2.2) 26(2.9,-1.8) 27(2.9,-1.4) 28(2.9,-1) 29(2.9,-0.6) 30(2.9,-0.2) 31(2.9,0.2) 32(2.9,0.6) 33(2.9,1) 34(2.9,1.4) 35(2.9,1.8) 36(2.9,2.2)
  oval 0.2x0.85 smd mask+0.06: 13(-2.2,-2.9) 14(-1.8,-2.9) 15(-1.4,-2.9) 16(-1,-2.9) 17(-0.6,-2.9) 18(-0.2,-2.9) 19(0.2,-2.9) 20(0.6,-2.9) 21(1,-2.9) 22(1.4,-2.9) 23(1.8,-2.9) 24(2.2,-2.9) 37(2.2,2.9) 38(1.8,2.9) 39(1.4,2.9) 40(1,2.9) 41(0.6,2.9) 42(0.2,2.9) 43(-0.2,2.9) 44(-0.6,2.9) 45(-1,2.9) 46(-1.4,2.9) 47(-1.8,2.9) 48(-2.2,2.9)
  rect 4.6x4.6 smd mask+0.06: 49(0,0)
  silkscreen extent -3.15,-3.15 3.15,3.15, body extent -3,-3 3,3, height 0.9
R0402 [mm] "Chip Resistor, Body 1.0x0.5mm, IPC High Density"
  rect 0.45x0.5 smd: 1(-0.475,0) 2(0.475,0)
  silkscreen extent -0.1,-0.25 0.1,0.25, body extent -0.5,-0.25 0.5,0.25, height 0.3
R0603 [mm] "Chip Resistor, Body 1.6x0.8mm, IPC High Density"
  rect 0.65x0.8 smd: 1(-0.675,0) 2(0.675,0)
  silkscreen extent -0.2,-0.4 0.2,0.4, body extent -0.81,-0.4 0.79,0.4, height 0.4
Resonator_1.3x3.2 [mm] "Resonator_1.3x3.2, 3 leads."
  rect 0.3x1.6 smd: 1(-0.95,0) 2(0,0) 3(0.95,0)
  silkscreen extent -1.6,-0.66 1.6,0.64, body extent -1.6,-0.66 1.6,0.64, height 1.02
"Slide SW SPDT Right Angle" [mm] "3 pin SPDT Right Angle Switch pitch 2.54mm"
  rect 1.37x1.37 hole 0.85: 1(0,0)
  round 1.37 hole 0.85: 2(2.54,0) 3(5.08,0)
  silkscreen extent -2.46,-5.2 7.54,0, body extent -2.47,-7.19 7.53,0.32, height 2.5
SOD128 [mm] "Small Outline 2.7x4mm"
  rect 1.2x2.1 smd: A(-2.2,0) K(2.2,0)
  silkscreen extent -0.75,-1.27 0.64,1.27, body extent -2.61,-1.35 2.59,1.35, height 1.11
"SOIC8 EP" [mm] "SOIC8 with Thermal Pad"
  rect 0.61x1.6 smd: 1(-1.905,-2.7) 2(-0.635,-2.7) 3(0.635,-2.7) 4(1.905,-2.7) 5(1.905,2.7) 6(0.635,2.7) 7(-0.635,2.7) 8(-1.905,2.7)
  rect 3.51x2.62 smd: 9(0,0)
  silkscreen extent -2.85,-2.32 2.51,0.93, body extent -2.5,-3.06 2.5,2.95, height 1.75
SOT23-3 [mm] "SOT23, 3-Leads, Body 2.9x1.3mm, Pitch 0.95mm, Lead Span 2.5mm, IPC High Density"
  rect 1x1.4 smd: 1(0.95,1.1) 2(-0.95,1.1) 3(0,-1.1)
  silkscreen extent -1.4,-0.64 1.4,0.51, body extent -1.44,-1.45 1.46,1.35, height 1.07
SOT563 [mm] "SOT563, 6-Leads, Body 1,60x1,20mm, Pitch 0,50mm, IPC Medium Density"
  rect 0.5x0.3 smd paste+0 mask+0.05: 1(-0.7,0.5) 2(-0.7,0) 3(-0.7,-0.5) 4(0.7,-0.5) 5(0.7,0) 6(0.7,0.5)
  silkscreen extent -1.14,-0.89 1.14,0.89, body extent -0.8,-0.8 0.8,0.8, height 0.55
"SOT-563 - MP1477H" [mm] "SOT563, 6 Leads, Body 1.6x1.2x0.55mm, Pitch 0.5mm"
  rect 0.3x0.6 smd mask+0.05: 1(-0.5,-0.7) 2(0,-0.7) 3(0.5,-0.7) 4(0.5,0.7) 5(0,0.7) 6(-0.5,0.7)
  silkscreen extent -1,-1.01 1,0.63, body extent -0.8,-0.8 0.8,0.8, height 0.6
SRN8040 [mm] "SRN8040 Series Inductor, 2-Leads, Body 8,00x8,00mm, IPC Medium Density"
  rect 2.2x8 smd: 1(-2.85,0) 2(2.85,0)
  silkscreen extent -1.65,-4.19 1.65,4.19, body extent -4.01,-4 4.01,4, height 4
SW_Vert_THT_7.5x6x6.5 [mm] "Vertical Switch THT"
  round 1.54 hole 1: 1(0,0) 2(4.5,0)
  round 1.93 hole 1.3: 3(-1.25,-2.5) 4(5.75,-2.5)
  silkscreen extent -1.25,-3.95 5.75,2.55, body extent -1.84,-3.95 6.34,3.85, height 7.1
TP_POWER [mm] "Testpoint 0.3mm"
  round 0.88 / inner round 0.74 / far side round 0.88 hole 0.3 paste-0.425: 1(0,0)
  silkscreen extent -0.6,-0.6 0.6,0.6, body extent -0.4,-0.4 0.4,0.4, height 0.1
TQFP32 [mm] "Thin QFP, 32-Leads, Body 7x7mm, Pitch 0.8mm, IPC Medium Density"
  oval 1.65x0.55 smd: 1(-4.2,2.8) 2(-4.2,2) 3(-4.2,1.2) 4(-4.2,0.4) 5(-4.2,-0.4) 6(-4.2,-1.2) 7(-4.2,-2) 8(-4.2,-2.8) 17(4.2,-2.8) 18(4.2,-2) 19(4.2,-1.2) 20(4.2,-0.4) 21(4.2,0.4) 22(4.2,1.2) 23(4.2,2) 24(4.2,2.8)
  oval 0.55x1.65 smd: 9(-2.8,-4.2) 10(-2,-4.2) 11(-1.2,-4.2) 12(-0.4,-4.2) 13(0.4,-4.2) 14(1.2,-4.2) 15(2,-4.2) 16(2.8,-4.2) 25(2.8,4.2) 26(2,4.2) 27(1.2,4.2) 28(0.4,4.2) 29(-0.4,4.2) 30(-1.2,4.2) 31(-2,4.2) 32(-2.8,4.2)
  silkscreen extent -4.32,-2.95 2.95,3.75, body extent -4.5,-4.5 4.5,4.5, height 1.6
TSSOP16 [mm] "TSSOP, 16-Leads, Body 5.0x4.4mm, Pitch 0.65mm"
  rect 0.35x1.7 smd: 1(-2.275,-2.85)
  oval 0.35x1.7 smd: 2(-1.625,-2.85) 3(-0.975,-2.85) 4(-0.325,-2.85) 5(0.325,-2.85) 6(0.975,-2.85) 7(1.625,-2.85) 8(2.275,-2.85) 9(2.275,2.85) 10(1.625,2.85) 11(0.975,2.85) 12(0.325,2.85) 13(-0.325,2.85) 14(-0.975,2.85) 15(-1.625,2.85) 16(-2.275,2.85)
  silkscreen extent -3.12,-2.97 2.55,1.6, body extent -2.56,-3.23 2.54,3.17, height 1.2
USB_B_W_REAR_PEGS [mm] "USB Micro Type B SMD"
  rect 0.4x1.35 smd mask+0.05: 1(-1.3,2.7) 2(-0.65,2.7) 3(0,2.7) 4(0.65,2.7) 5(1.3,2.7)
  oval 0.9x1.55 hole 0.5 slot 1.15 at 90 deg: S1(-3.5,0) S4(3.5,0)
  rect 1.2x1.55 smd: S1(-2.9,0) S4(2.9,0)
  rect 1.5x1.55 smd: S2(-1,0) S3(1,0)
  oval 1.25x0.95 hole 0.55 slot 0.85 at 0 deg: S5(-2.5,2.7) S6(2.5,2.7)
  silkscreen extent -4.1,-2.68 4.1,2.84, body extent -4.1,-2.58 4.1,2.85, height 2.78